# KiCad board Neptune.kicad_pcb (continued)
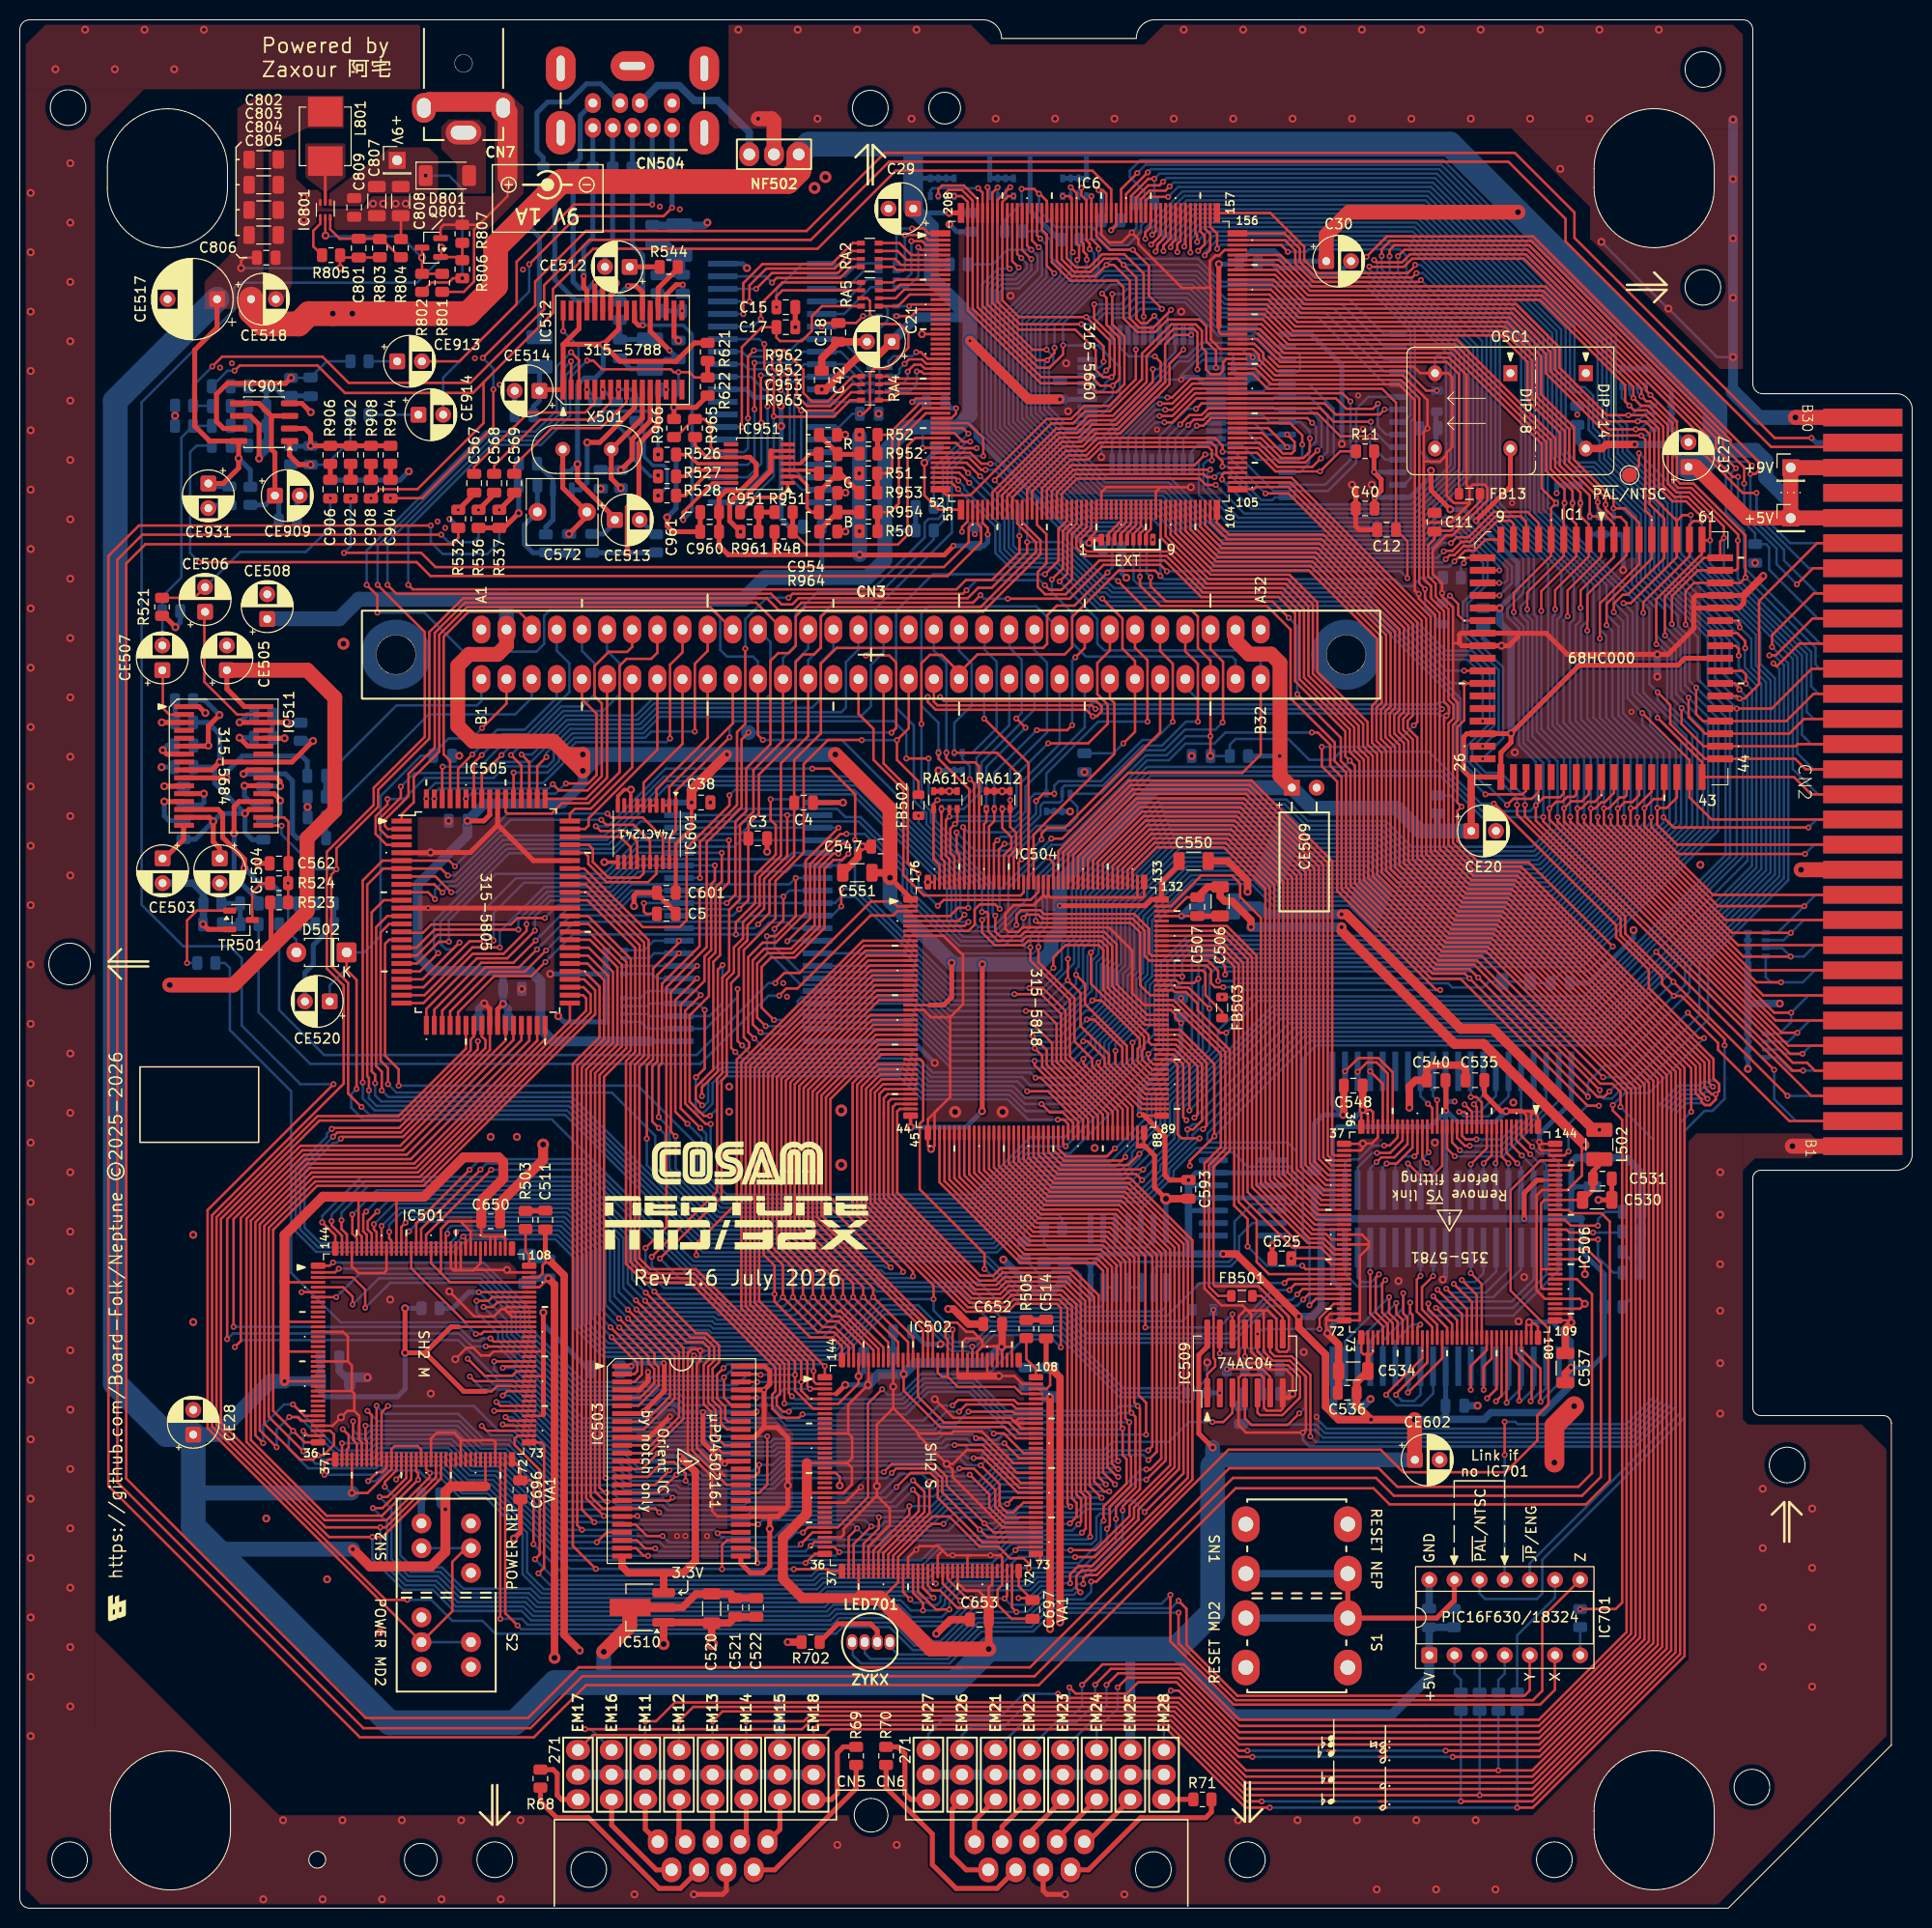
[diagram p0: board, top side]
## Placement (name value [footprint] x y rotation side) (continued)
R539  3K  [R_0805_2012Metric]  51.35 146.03 180 bottom
R540  *4  [R_0805_2012Metric]  53.15 137.98 270 bottom
R541  *5  [R_0805_2012Metric]  60.72 144.48 90 bottom
R544  75  [R_0805_2012Metric]  65.57 165.91 180 top
R545  0  [R_0805_2012Metric]  60.62 161.48 270 bottom
R547  100  [R_0805_2012Metric]  64.42 164.18 90 bottom
R549  10K  [R_0805_2012Metric]  64.3 137.98 90 bottom
R558  10K  [R_0805_2012Metric]  103.48 64.43 270 bottom
R559  2K  [R_0805_2012Metric]  101.47 66.48 90 bottom
R560  16K  [R_0805_2012Metric]  104.4 68.71 180 bottom
R561  8.2K  [R_0805_2012Metric]  122.88 54.49 180 bottom
R562  2K  [R_0805_2012Metric]  123.38 49.88 90 bottom
R566  4.7K  [R_0805_2012Metric]  123.17 116.48 0 bottom
R611  4.7K  [R_0805_2012Metric]  143.22 111.58 90 bottom
R621  10K  [R_0805_2012Metric]  69.5 157.32 90 top
R622  1K  [R_0805_2012Metric]  69.5 153.82 90 top
R701  10K  [R_0805_2012Metric]  144.9 29.33 90 bottom
R702  220  [R_0805_2012Metric]  79.9 26.9 180 top
R704  1K  [R_0805_2012Metric]  145.6 20.88 270 bottom
R705  1K  [R_0805_2012Metric]  147.49 20.88 270 bottom
R706  1K  [R_0805_2012Metric]  149.39 20.88 270 bottom
R707  1K  [R_0805_2012Metric]  151.29 20.88 270 bottom
R708  0  [R_0805_2012Metric]  157.66 29.33 90 bottom  (not fitted)
R801  30K  [R_0805_2012Metric]  42.68 164.31 270 top
R802  130K  [R_0805_2012Metric]  40.64 164.31 90 top
R803  220k  [R_0805_2012Metric]  36.38 167.82 90 top
R804  30k  [R_0805_2012Metric]  38.51 167.82 90 top
R805  10K  [R_0805_2012Metric]  31.45 167.11 0 top
R806  10K  [R_0805_2012Metric]  44.71 165.69 90 top
R807  4.7K  [R_0805_2012Metric]  44.71 169.26 90 top
R901  100K  [R_0805_2012Metric]  23.99 147.85 0 bottom
R902  100K  [R_0805_2012Metric]  33.42 146.93 90 top
R903  210K  [R_0805_2012Metric]  23.99 151.85 0 bottom
R904  210K  [R_0805_2012Metric]  37.45 146.93 90 top
R905  210K  [R_0805_2012Metric]  23.99 149.85 0 bottom
R906  210K  [R_0805_2012Metric]  31.38 146.93 90 top
R907  210K  [R_0805_2012Metric]  23.99 153.85 180 bottom
R908  210K  [R_0805_2012Metric]  35.47 146.93 90 top
R909  75  [R_0805_2012Metric]  16.6 149.85 180 bottom
R910  75  [R_0805_2012Metric]  31.38 143.45 90 bottom
R912  2.2K  [R_0805_2012Metric]  35.47 143.45 90 bottom
R913  10K  [R_0805_2012Metric]  23.3 142.78 90 bottom
R914  10K  [R_0805_2012Metric]  27.07 140.28 180 bottom
R915  300K  [R_0805_2012Metric]  27.41 153.79 90 bottom
R916  300K  [R_0805_2012Metric]  27.41 146.88 270 bottom
R917  330  [R_0805_2012Metric]  34.32 156.38 0 bottom
R918  330  [R_0805_2012Metric]  34.32 150.98 0 bottom
R951  5.62K  [R_0805_2012Metric]  77.17 141.12 180 top
R952  5.62K  [R_0805_2012Metric]  85.75 147.05 180 top
R953  5.62K  [R_0805_2012Metric]  85.72 143.1 180 top
R954  5.62K  [R_0805_2012Metric]  85.75 141.12 180 top
R961  5.62K  [R_0805_2012Metric]  73.72 139.15 180 top
R962  1.00K  [R_0805_2012Metric]  81.66 148.94 0 top
R963  1.00K  [R_0805_2012Metric]  81.69 143.07 0 top
R964  1.00K  [R_0805_2012Metric]  81.69 139.18 0 top
R965  Fit 10K to disable  [R_0805_2012Metric]  68.22 149.62 270 top
R966  Fit 0 to enable  [R_0805_2012Metric]  66.1 149.62 270 top
RA1  4x100  [R_Array_Convex_4x0603]  87.67 165.07 0 bottom
RA2  4x100  [R_Array_Convex_4x0603]  85.88 167.12 0 top
RA3  2x100  [R_Array_Convex_2x0603]  87.67 161.45 0 bottom
RA4  4x100  [R_Array_Convex_4x0603]  85.9 153.65 0 top
RA5  4x100  [R_Array_Convex_4x0603]  85.9 163.15 0 top
RA6  4x100  [R_Array_Convex_4x0603]  86.87 154.55 0 bottom
RA601  4x10K  [R_Array_Convex_4x0603]  104.92 111.77 270 bottom
RA602  4x10K  [R_Array_Convex_4x0603]  94.02 115.91 270 bottom
RA607  4x4.7K  [R_Array_Convex_4x0603]  99.2 173.98 90 bottom
RA608  4x2.2K  [R_Array_Convex_4x0603]  106.57 173.98 270 bottom
RA611  4x10K  [R_Array_Convex_4x0603]  93.52 112.02 90 top
RA612  4x10K  [R_Array_Convex_4x0603]  98.86 112.02 90 top
RA617  4x4.7K  [R_Array_Convex_4x0603]  93.2 173.98 90 bottom
RM3  4x10K  [R_Array_Convex_4x0603]  175.5 87.2 0 bottom
RM4  4x10K  [R_Array_Convex_4x0603]  175.5 97.45 0 bottom
RM5  4x10K  [R_Array_Convex_4x0603]  60.15 90.8 0 bottom
RM6  4x10K  [R_Array_Convex_4x0603]  60.15 95.65 0 bottom
S1  RESET MD2  [Reset_Switch]  129.03 26.83 180 top
S2  POWER MD2  [Power_Switch]  43.08 26.9 180 top
SN1  RESET NEP  [Reset_Switch]  129.03 36.33 0 top
SN2  POWER NEP  [Power_Switch]  43.08 36.4 0 top
TP1  +9V  [PinHeader_1x01_P2.54mm_Vertical]  178.92 145.62 0 top
TP2  +9V  [PinHeader_1x01_P2.54mm_Vertical]  38.12 176.7 0 top
TP3  +5V  [PinHeader_1x01_P2.54mm_Vertical]  178.92 140.53 0 top
TP4  ~{YS}  [TestPoint_Pad_D1.5mm]  73.62 118.85 180 bottom
TP5  ~{PAL}/NTSC  [TestPoint_Pad_D1.5mm]  162.64 144.87 0 top
TR501  NPN  [SOT-23-3]  22.35 99.9 0 top
TR502  NPN  [SOT-23]  54.82 144.32 90 bottom
X501  *3  [Crystal_HC18-U_Vertical]  54.85 147.48 0 top

## Library data of the parts
C2 C11 C17 = -: LCSC Part #: C520060; MPN: VJ0805A330FXJPW1BC; ki_fp_filters: C_*
C3-C5 C16 C18 C594 C595 C696 C697 = -: LCSC Part #: C1854109; MPN: VJ0805A101FXJPW1BC; ki_fp_filters: C_*
C9 = -: LCSC Part #: C149613; MPN: VJ0805A470FXJPW1BC; ki_fp_filters: C_*
C10 C571 = -: LCSC Part #: C520053; MPN: VJ0805A100FXJCW1BC; ki_fp_filters: C_*
C12 C14 = -: LCSC Part #: C541528; MPN: VJ0805Y105KXJTW1BC; ki_fp_filters: CP_*
C15 C553 C576 = -: ki_fp_filters: C_*
C21 C29 C30 CE20 CE503-CE505 CE512-CE514 CE517 CE518 CE520 CE602 CE931 = -: ki_fp_filters: CP_*
C32 C37 C38 C40-C42 C45-C51 = -: LCSC Part #: C520037; MPN: VJ0805Y223JXJPW1BC; ki_fp_filters: C_*
C60 = -: LCSC Part #: C107111; MPN: VJ0805A151FXJCW1BC; ki_fp_filters: C_*
C506 C508 C512 C515 C517 C520 C523 C527 C530 C534 C537 C550 C551 C699 = -: LCSC Part #: C132170; MPN: VJ1206V475MXJTW1BC; ki_fp_filters: C_*
C507 C509 C510 C513 C516 C518 C519 C521 C522 C528 C531-C533 C535 C536 C538-C541 C547 C548 C563-C569 C580 C588-C593 C601 C642 C650-C653 C701 C930 C951-C954 C960 = -: LCSC Part #: C111492; MPN: VJ0805Y104JXJMT; ki_fp_filters: C_*
C511 C514 = -: LCSC Part #: C62771; MPN: VJ0805A471FXJPW1BC; ki_fp_filters: C_*
C525 C570 = -: LCSC Part #: C162306; MPN: GRM21A5C2J680JWA1D; ki_fp_filters: C_*
C526 = -: LCSC Part #: C62768; MPN: VJ0805A101FXJPW1BC; ki_fp_filters: C_*
C554 C555 = -: LCSC Part #: C107149; MPN: VJ0805A332FXJTW1BC; ki_fp_filters: C_*
C556 C557 = -: LCSC Part #: C107121; MPN: VJ0805A681FXJCW1BC; ki_fp_filters: C_*
C558 C561 C562 = -: LCSC Part #: C62774; MPN: VJ0805A102FXJCW1BC; ki_fp_filters: C_*
C559 C560 = -: LCSC Part #: C107103; MPN: VJ0805A222FXJCW1BC; ki_fp_filters: C_*
C573 = -: LCSC Part #: C327193; MPN: VJ0805A820FXJCW1BC; ki_fp_filters: C_*
C574 = -: LCSC Part #: C527077; MPN: CC0805JRNPOCBN150; ki_fp_filters: C_*
C575 = -: LCSC Part #: C437549; MPN: GRM21A5C2E470JW01D; ki_fp_filters: C_*
C577 C579 = -: LCSC Part #: C107154; MPN: VJ0805Y473JXJCW1BC; ki_fp_filters: C_*
C578 = -: LCSC Part #: C710971; MPN: GRM21A5C2E820JW01D; ki_fp_filters: C_*
C621 = -: LCSC Part #: C541528; MPN: VJ0805Y105KXJTW1BC; ki_fp_filters: C_*
C801 = -: DigiKey: 311-4160-1-ND; LCSC Part #: C541512; MPN: VJ0805D100FXAAP; ki_fp_filters: C_*
C802-C805 C807 C808 = -: DigiKey: 1276-3103-1-ND; LCSC Part #: C76666; MPN: C3216X7R1V106KT000E; ki_fp_filters: C_*
C806 = -: LCSC Part #: C111492; MPN: VJ0805Y104JFAAR; ki_fp_filters: C_*
C809 = -: DigiKey: 1276-1099-1-ND; LCSC Part #: C111492; MPN: VJ0805Y104JFAAR; ki_fp_filters: C_*
C901 C902 = -: DigiKey: 1276-1096-1-ND; LCSC Part #: C89832; MPN: VJ0805V106ZXQTW1BC; ki_fp_filters: C_*
C903-C908 = -: LCSC Part #: C94122; MPN: VJ0805Y105KXJTW1BC; ki_fp_filters: C_*
C911 C912 = -: DigiKey: 311-4166-1-ND; LCSC Part #: C107111; MPN: VJ0805A151FXJCW1BC; ki_fp_filters: C_*
C961 = -: DigiKey: 1276-1096-1-ND; LCSC Part #: C342712; MPN: CGA4J1X5R1C106KT0Y0E; ki_fp_filters: C_*
CA601-CA604 = -: DigiKey: 13-CA0612KRNPO9BN330CT-ND; LCSC Part #: C576634; MPN: CA0612KRNPO9BN330; ki_fp_filters: DIP* SOIC* R*Array*Concave* R*Array*Convex*
CE27 CE28 CE506-CE509 CE913 CE914 = -: DigiKey: 493-13447-1-ND; ki_fp_filters: CP_*
CE909 = -: DigiKey: P15787CT-ND; ki_fp_filters: CP_*
CN2 CN3 = -: ki_fp_filters: Connector*:*_2x??_*
CN5 CN6 CN504 J2 = -: ki_fp_filters: Connector*:*_1x??_*
CN7 = -: ki_fp_filters: BarrelJack*
D502 = -: Sim.Pins: 1=K 2=A; ki_fp_filters: TO-???* *_Diode_* *SingleDiode* D_*
D699 = -: Sim.Device: D; Sim.Pins: 1=K 2=A; ki_fp_filters: TO-???* *_Diode_* *SingleDiode* D_*
D801 = -: LCSC Part #: C261920; MPN: CMS06(TE12L,Q,M); Sim.Device: D; Sim.Pins: 1=K 2=A; ki_fp_filters: TO-???* *_Diode_* *SingleDiode* D_*
FB1 FB7 FB13 FB502 FB505 FB510 FB511 FB513-FB517 = -: LCSC Part #: C91037; MPN: CBG201209U000T; ki_fp_filters: Inductor_* L_* *Ferrite*
FB501 FB506 = -: LCSC Part #: C41330; MPN: CBG201209U121T; ki_fp_filters: Inductor_* L_* *Ferrite*
FB503 = -: LCSC Part #: C124102; MPN: CBG201209U221T; ki_fp_filters: Inductor_* L_* *Ferrite*
IC1 = -: Datasheet: https://www.nxp.com/docs/en/reference-manual/MC68000UM.pdf; ki_fp_filters: PLCC*
IC4 = -: Datasheet: www.zilog.com/manage_directlink.php?filepath=docs/z80/um0080; ki_fp_filters: DIP* PDIP*
IC5 = -: Datasheet: http://www.issi.com/WW/pdf/61-64C5128AL.pdf; ki_fp_filters: SOJ*10.16x23.49mm*P1.27mm*
IC6 = -: ki_fp_filters: DIP*W15.24mm*
IC509 = -: Datasheet: http://www.ti.com/lit/gpn/sn74LS04; LCSC Part #: C352940; MPN: SN74AC04DR; ki_fp_filters: DIP*W7.62mm* SSOP?14* TSSOP?14*
IC510 = -: Datasheet: http://www.st.com/content/ccc/resource/technical/document/datasheet/41/4f/b3/b0/12/d4/47/88/CD00000444.pdf/files/CD00000444.pdf/jcr:content/translations/en.CD00000444.pdf; ki_fp_filters: TO?252* TO?263* TO?220*
IC515 = -: Datasheet: 74xx/74hc_hct74.pdf; LCSC Part #: C6762; MPN: SN74HC74ANS; ki_fp_filters: DIP*W7.62mm*
IC516 = -: Datasheet: http://www.ti.com/lit/gpn/sn74ls00; LCSC Part #: C140269; MPN: SN74LS00NSR; ki_fp_filters: DIP*W7.62mm* SO14*
IC601 = -: Datasheet: http://www.ti.com/lit/ds/symlink/sn74ls241.pdf; DigiKey: 296-4384-1-ND; LCSC Part #: C2863106; MPN: SN74ACT241PW; ki_fp_filters: DIP*W7.62mm* SOIC*7.5x12.8mm*P1.27mm* *SSOP*5.3x7.2mm*P0.65mm*
IC701 = -: Datasheet: http://ww1.microchip.com/downloads/en/devicedoc/40001800c.pdf; ki_fp_filters: SOIC*3.9x8.7mm*P1.27mm*
IC801 = -: Datasheet: http://www.ti.com/lit/ds/symlink/tps563200.pdf; DigiKey: 296-TPS564257DRLRCT-ND; LCSC Part #: C19272233; ki_fp_filters: SOT?23*
IC901 = -: Datasheet: http://www.ti.com/lit/ds/symlink/tl061.pdf; DigiKey: 296-21693-1-ND; LCSC Part #: C46127; MPN: TL972IDR; ki_fp_filters: SOIC*3.9x4.9mm*P1.27mm* DIP*W7.62mm* TO*99* OnSemi*Micro8* TSSOP*3x3mm*P0.65mm* TSSOP*4.4x3mm*P0.65mm* MSOP*3x3mm*P0.65mm* SSOP*3.9x4.9mm*P0.635mm* LFCSP*2x2mm*P0.5mm* *SIP* SOIC*5.3x6.2mm*P1.27mm*
IC951 = -: Datasheet: https://www.ti.com/lit/ds/symlink/ths7374.pdf; LCSC Part #: C2652746; MPN: THS7374IPWR; ki_fp_filters: TSSOP*4.4x5mm*P0.65mm*
L501 L502 = -: LCSC Part #: C27775; MPN: CMI322513J101KT; ki_fp_filters: Choke_* *Coil* Inductor_* L_*
L603 = -: LCSC Part #: C394998; MPN: CMI322513X120KT; ki_fp_filters: Choke_* *Coil* Inductor_* L_*
L604 = -: LCSC Part #: C75643; MPN: FHW1210IF100JST; ki_fp_filters: Choke_* *Coil* Inductor_* L_*
L605 = -: LCSC Part #: C394099; MPN: FHW1210IF820JST; ki_fp_filters: Choke_* *Coil* Inductor_* L_*
L801 = -: DigiKey: 490-9760-1-ND; LCSC Part #: C440231; MPN: LQH55DN4R7M03L; ki_fp_filters: Choke_* *Coil* Inductor_* L_*
LED701 = -: Description: RGB LED, blue/green/cathode/red; ki_fp_filters: LED* LED_SMD:* LED_THT:*
NF502 = -: Datasheet: http://www.murata.com/~/media/webrenewal/support/library/catalog/products/emc/emifil/c31e.ashx?la=en-gb
OSC1 = -: Datasheet: http://cdn-reichelt.de/documents/datenblatt/B400/OSZI.pdf; ki_fp_filters: Oscillator*DIP*14*
Q801 = -: Datasheet: https://www.onsemi.com/pdf/datasheet/pzt3904-d.pdf; DigiKey: MMBT3904TPMSCT-ND; LCSC Part #: C77991; MPN: MMBT3904-TP; ki_fp_filters: SOT?23*
R10 R12 R15 R48 R525 R912 = -: DigiKey: P2.20KCCT-ND; LCSC Part #: C114561; MPN: CRCW08052K20JNEA; ki_fp_filters: R_*
R11 R523 R566 R807 = -: LCSC Part #: C2077067; MPN: CRCW08054K70JNEAC; ki_fp_filters: R_*
R14 = -: LCSC Part #: C136926; MPN: CRCW08051K20FKEAHP; ki_fp_filters: R_*
R40 R41 R511 R512 R544 R909 R910 = -: DigiKey: P75.0CCT-ND; LCSC Part #: C136912; MPN: CRCW080575R0FKEAHP; ki_fp_filters: R_*
R50-R52 = -: LCSC Part #: C844634; MPN: CRCW08055K60FKEA; ki_fp_filters: R_*
R68-R71 R521 R522 R917 R918 = -: LCSC Part #: C844839; MPN: CRCW0805330RFKEA; ki_fp_filters: R_*
R74 = -: LCSC Part #: C96210; MPN: CRCW0805150RFKEAHP; ki_fp_filters: R_*
R75 R702 = -: DigiKey: P220CCT-ND; LCSC Part #: C844204; MPN: CRCW0805220RFKEAC; ki_fp_filters: R_*
R502 R518 R520 R549 R558 R621 R805 R806 R913 R914 = -: LCSC Part #: C844937; MPN: CRCW080510K0FKEA; ki_fp_filters: R_*
R503 R505 R514 R516 R539 = -: LCSC Part #: C114222; MPN: CRCW08053K00FKEA; ki_fp_filters: R_*
R506 = -: LCSC Part #: C137585; MPN: CRCW0805180RJNEA; ki_fp_filters: R_*
R507 = -: LCSC Part #: C844395; MPN: CRCW080513K0FKEA; ki_fp_filters: R_*
R508 = -: LCSC Part #: C844836; MPN: CRCW08052K70FKEA; ki_fp_filters: R_*
R509 = -: LCSC Part #: C185279; MPN: CRCW08051K60FKEA; ki_fp_filters: R_*
R513 R515 R517 R519 R561 = -: LCSC Part #: C844640; MPN: CRCW08058K20FKEA; ki_fp_filters: R_*
R524 = -: LCSC Part #: C96347; MPN: CRCW080510R0FKEB; ki_fp_filters: R_*
R526-R528 = -: DigiKey: P5.62KCCT-ND; LCSC Part #: C136912; MPN: CRCW080575R0FKEAHP; ki_fp_filters: R_*
R529-R531 = -: DigiKey: P1.00KCCT-ND; LCSC Part #: C136912; MPN: CRCW080575R0FKEAHP; ki_fp_filters: R_*
R532-R534 = -: LCSC Part #: C126353; MPN: CRCW080533R0FKEAC; ki_fp_filters: R_*
R535-R537 = -: LCSC Part #: C246032; MPN: MCU08050C1600FPW00; ki_fp_filters: R_*
R540 = -: LCSC Part #: C137527; MPN: CRCW0805430RJNEA; ki_fp_filters: R_*
R541 = -: LCSC Part #: C93658; MPN: CRCW0805680RJNEA; ki_fp_filters: R_*
R545 = -: LCSC Part #: C96345; MPN: RCG08050000Z0EA; ki_fp_filters: R_*
R547 = -: LCSC Part #: C2078104; MPN: CRCW0805100RJNEAHP; ki_fp_filters: R_*
R559 R562 = -: LCSC Part #: C2077049; MPN: CRCW08052K00JNEA; ki_fp_filters: R_*
R560 = -: LCSC Part #: C326942; MPN: TNPW080516K0BEEA; ki_fp_filters: R_*
R611 = -: DigiKey: P2.20KCCT-ND; LCSC Part #: C2077067; MPN: CRCW08054K70JNEAC; ki_fp_filters: R_*
R622 = -: LCSC Part #: C136899; MPN: CRCW08051K00FKEA; ki_fp_filters: R_*
R701 R704-R708 = -: DigiKey: P220CCT-ND; LCSC Part #: C844937; MPN: CRCW080510K0FKEA; ki_fp_filters: R_*
R801 R804 = -: DigiKey: P30.0KCCT-ND; LCSC Part #: C844838; MPN: CRCW080530K0FKEA; ki_fp_filters: R_*
R802 = -: DigiKey: P162KCCT-ND; LCSC Part #: C483008; MPN: RCS0805130KFKEA; ki_fp_filters: R_*
R803 = -: DigiKey: P220KCCT-ND; LCSC Part #: C706313; MPN: CRCW0805220KJNEA; ki_fp_filters: R_*
R901 R902 = -: LCSC Part #: C844935; MPN: CRCW0805100KFKEA; ki_fp_filters: R_*
R903-R908 = -: DigiKey: P210KCCT-ND; LCSC Part #: C228629; MPN: CRCW0805210KFKEA; ki_fp_filters: R_*
R915 R916 = -: DigiKey: P300KCCT-ND; LCSC Part #: C865386; MPN: RCS0805300KFKEA; ki_fp_filters: R_*
R951-R954 R961 = -: DigiKey: P5.62KCCT-ND; LCSC Part #: C706302; MPN: TNPW08055K62FHEA\; ki_fp_filters: R_*
R962-R964 = -: DigiKey: P1.00KCCT-ND; LCSC Part #: C136899; MPN: CRCW08051K00FKEA; ki_fp_filters: R_*
R965 = -: DigiKey: P5.62KCCT-ND; ki_fp_filters: R_*
R966 = -: DigiKey: P5.62KCCT-ND; LCSC Part #: C96345; ki_fp_filters: R_*
RA1 RA2 RA4-RA6 = -: LCSC Part #: C1852225; MPN: YC164-FR-07100RL; ki_fp_filters: DIP* SOIC* R*Array*Concave* R*Array*Convex*
RA3 = -: LCSC Part #: C728824; MPN: YC162-FR-07100RL; ki_fp_filters: DIP* SOIC* R*Array*Concave* R*Array*Convex*
RA601 RA602 RA611 RA612 RM3-RM6 = -: LCSC Part #: C110924; MPN: YC164-FR-0710KL; ki_fp_filters: DIP* SOIC* R*Array*Concave* R*Array*Convex*
RA607 RA617 = -: LCSC Part #: C700514; MPN: YC164-FR-074K7L; ki_fp_filters: DIP* SOIC* R*Array*Concave* R*Array*Convex*
RA608 = -: LCSC Part #: C136829; MPN: YC164-JR-072K2L; ki_fp_filters: DIP* SOIC* R*Array*Concave* R*Array*Convex*
TP1-TP5 = -: ki_fp_filters: Pin* Test*
TR501 TR502 = -: LCSC Part #: C77991; MPN: MMBT3904-TP; Sim.Pins: 1=C 2=B 3=E; Sim.Type: GUMMELPOON
X501 = -: ki_fp_filters: Crystal*

## Footprints (pads in the part's own frame, mm; a bottom-side part is the same pattern mirrored in y, then rotated)
AV_Connector
  oval 1.6x2 hole 0.9: 1(-1.25,2.5) 2(0.75,2.5) 3(-4,2.5) 4(-2,0) 5(0,0) 6(4,2.5) 7(-4,0) 8(2,0) 9(4,0)
  oval 3x4.4 hole 0.8x2.6: 10(-7.25,6) 10(-7.25,-0.5) 10(7.25,6) 10(7.25,-0.5)
  oval 4.4x3 hole 2.6x0.8: 10(0,6.25)
C_0805_2012Metric
  rrect 1x1.45 smd: 1(-0.95,0) 2(0.95,0)
C_1206_3216Metric
  rrect 1.15x1.8 smd: 1(-1.475,0) 2(1.475,0)
C_Rect_L7.0mm_W6.5mm_P5.00mm
  round 1.8 hole 0.9: 1(0,0) 2(5,0)
Cartidge_Slot
  oval 1.8x2.8 hole 1: a1(0,0) a2(2.54,0) a3(5.08,0) a4(7.62,0) a5(10.16,0) a6(12.7,0) a7(15.24,0) a8(17.78,0) a9(20.32,0) a10(22.86,0) a11(25.4,0) a12(27.94,0) a13(30.48,0) a14(33.02,0) a15(35.56,0) a16(38.1,0) a17(40.64,0) a18(43.18,0) a19(45.72,0) a20(48.26,0) a21(50.8,0) a22(53.34,0) a23(55.88,0) a24(58.42,0) a25(60.96,0) a26(63.5,0) a27(66.04,0) a28(68.58,0) a29(71.12,0) a30(73.66,0) a31(76.2,0) a32(78.74,0) b1(0,-5) b2(2.54,-5) b3(5.08,-5) b4(7.62,-5) b5(10.16,-5) b6(12.7,-5) b7(15.24,-5) b8(17.78,-5) b9(20.32,-5) b10(22.86,-5) b11(25.4,-5) b12(27.94,-5) b13(30.48,-5) b14(33.02,-5) b15(35.56,-5) b16(38.1,-5) b17(40.64,-5) b18(43.18,-5) b19(45.72,-5) b20(48.26,-5) b21(50.8,-5) b22(53.34,-5) b23(55.88,-5) b24(58.42,-5) b25(60.96,-5) b26(63.5,-5) b27(66.04,-5) b28(68.58,-5) b29(71.12,-5) b30(73.66,-5) b31(76.2,-5) b32(78.74,-5)
CP_Radial_D5.0mm_P2.50mm
  rrect 1.6x1.6 hole 0.8: 1(0,0)
  round 1.6 hole 0.8: 2(2.5,0)
CP_Radial_D5.0mm_P2.50mm_Horizontal
  rect 1.6x1.6 hole 0.8: 1(2.5,0)
  round 1.6 hole 0.8: 2(0,0)
CP_Radial_D8.0mm_P5.00mm
  rrect 1.6x1.6 hole 0.8: 1(0,0)
  round 1.6 hole 0.8: 2(5,0)
Crystal_HC18-U_Vertical
  round 1.5 hole 0.8: 1(0,0) 2(4.9,0)
D_1206_3216Metric
  rrect 1.25x1.75 smd: 1(-1.4,0) 2(1.4,0)
D_SOD-128
  rrect 1.4x2.1 smd: 1(-2.2,0) 2(2.2,0)
D_T-1_P5.08mm_Horizontal
  rrect 2x2 hole 1: 1(0,0)
  round 2 hole 1: 2(5.08,0)
DIP-14_W7.62mm_Socket
  rrect 1.6x1.6 hole 0.8: 1(0,0)
  round 1.6 hole 0.8: 2(0,-2.54) 3(0,-5.08) 4(0,-7.62) 5(0,-10.16) 6(0,-12.7) 7(0,-15.24) 8(7.62,-15.24) 9(7.62,-12.7) 10(7.62,-10.16) 11(7.62,-7.62) 12(7.62,-5.08) 13(7.62,-2.54) 14(7.62,0)
DSUB-9
  oval 2x2.5 hole 1.25: 1(-5.54,0) 2(-2.77,0) 3(0,0) 4(2.77,0) 5(5.54,0) 6(-4.155,-2.84) 7(-1.385,-2.84) 8(1.385,-2.84) 9(4.155,-2.84)
Edge-60P
  rect 1.778x8 smd far side: a1(36.83,0) a2(34.29,0) a3(31.75,0) a4(29.21,0) a5(26.67,0) a6(24.13,0) a7(21.59,0) a8(19.05,0) a9(16.51,0) a10(13.97,0) a11(11.43,0) a12(8.89,0) a13(6.35,0) a14(3.81,0) a15(1.27,0) a16(-1.27,0) a17(-3.81,0) a18(-6.35,0) a19(-8.89,0) a20(-11.43,0) a21(-13.97,0) a22(-16.51,0) a23(-19.05,0) a24(-21.59,0) a25(-24.13,0) a26(-26.67,0) a27(-29.21,0) a28(-31.75,0) a29(-34.29,0) a30(-36.83,0)
  rect 1.778x8 smd: b1(36.83,0) b2(34.29,0) b3(31.75,0) b4(29.21,0) b5(26.67,0) b6(24.13,0) b7(21.59,0) b8(19.05,0) b9(16.51,0) b10(13.97,0) b11(11.43,0) b12(8.89,0) b13(6.35,0) b14(3.81,0) b15(1.27,0) b16(-1.27,0) b17(-3.81,0) b18(-6.35,0) b19(-8.89,0) b20(-11.43,0) b21(-13.97,0) b22(-16.51,0) b23(-19.05,0) b24(-21.59,0) b25(-24.13,0) b26(-26.67,0) b27(-29.21,0) b28(-31.75,0) b29(-34.29,0) b30(-36.83,0)
EMI_3P
  oval 2.4x2 hole 1.2: 1(0,-2.5) 2(0,0) 3(0,2.5)
EXT_Breakout
  rrect 0.57x1.2 smd: 1(-2.6,0) 9(2.6,0)
  rrect 0.42x1.2 smd: 2(-1.905,0) 3(-1.27,0) 4(-0.635,0) 5(0,0) 6(0.635,0) 7(1.27,0) 8(1.905,0)
L_0805_2012Metric
  rrect 0.875x1.2 smd: 1(-1.062,0) 2(1.062,0)
L_1210_3225Metric_Pad1.42x2.65mm_HandSolder
  rrect 1.425x2.65 smd: 1(-1.488,0) 2(1.488,0)
L_Murata_LQH55DN_5.7x5.0mm
  rect 3x3.5 smd: 1(-2.5,0) 2(2.5,0)
LQFP-144_20x20mm_P0.5mm
  rrect 1.475x0.65 smd: 1(-10.662,8.925) 36(-10.662,-8.925) 73(10.662,-8.925) 108(10.662,8.925)
  rrect 1.475x0.3 smd: 2(-10.662,8.25) 3(-10.662,7.75) 4(-10.662,7.25) 5(-10.662,6.75) 6(-10.662,6.25) 7(-10.662,5.75) 8(-10.662,5.25) 9(-10.662,4.75) 10(-10.662,4.25) 11(-10.662,3.75) 12(-10.662,3.25) 13(-10.662,2.75) 14(-10.662,2.25) 15(-10.662,1.75) 16(-10.662,1.25) 17(-10.662,0.75) 18(-10.662,0.25) 19(-10.662,-0.25) 20(-10.662,-0.75) 21(-10.662,-1.25) 22(-10.662,-1.75) 23(-10.662,-2.25) 24(-10.662,-2.75) 25(-10.662,-3.25) 26(-10.662,-3.75) 27(-10.662,-4.25) 28(-10.662,-4.75) 29(-10.662,-5.25) 30(-10.662,-5.75) 31(-10.662,-6.25) 32(-10.662,-6.75) 33(-10.662,-7.25) 34(-10.662,-7.75) 35(-10.662,-8.25) 74(10.662,-8.25) 75(10.662,-7.75) 76(10.662,-7.25) 77(10.662,-6.75) 78(10.662,-6.25) 79(10.662,-5.75) 80(10.662,-5.25) 81(10.662,-4.75) 82(10.662,-4.25) 83(10.662,-3.75) 84(10.662,-3.25) 85(10.662,-2.75) 86(10.662,-2.25) 87(10.662,-1.75) 88(10.662,-1.25) 89(10.662,-0.75) 90(10.662,-0.25) 91(10.662,0.25) 92(10.662,0.75) 93(10.662,1.25) 94(10.662,1.75) 95(10.662,2.25) 96(10.662,2.75) 97(10.662,3.25) 98(10.662,3.75) 99(10.662,4.25) 100(10.662,4.75) 101(10.662,5.25) 102(10.662,5.75) 103(10.662,6.25) 104(10.662,6.75) 105(10.662,7.25) 106(10.662,7.75) 107(10.662,8.25)
  rrect 0.65x1.475 smd: 37(-8.925,-10.662) 72(8.925,-10.662) 109(8.925,10.662) 144(-8.925,10.662)
  rrect 0.3x1.475 smd: 38(-8.25,-10.662) 39(-7.75,-10.662) 40(-7.25,-10.662) 41(-6.75,-10.662) 42(-6.25,-10.662) 43(-5.75,-10.662) 44(-5.25,-10.662) 45(-4.75,-10.662) 46(-4.25,-10.662) 47(-3.75,-10.662) 48(-3.25,-10.662) 49(-2.75,-10.662) 50(-2.25,-10.662) 51(-1.75,-10.662) 52(-1.25,-10.662) 53(-0.75,-10.662) 54(-0.25,-10.662) 55(0.25,-10.662) 56(0.75,-10.662) 57(1.25,-10.662) 58(1.75,-10.662) 59(2.25,-10.662) 60(2.75,-10.662) 61(3.25,-10.662) 62(3.75,-10.662) 63(4.25,-10.662) 64(4.75,-10.662) 65(5.25,-10.662) 66(5.75,-10.662) 67(6.25,-10.662) 68(6.75,-10.662) 69(7.25,-10.662) 70(7.75,-10.662) 71(8.25,-10.662) 110(8.25,10.662) 111(7.75,10.662) 112(7.25,10.662) 113(6.75,10.662) 114(6.25,10.662) 115(5.75,10.662) 116(5.25,10.662) 117(4.75,10.662) 118(4.25,10.662) 119(3.75,10.662) 120(3.25,10.662) 121(2.75,10.662) 122(2.25,10.662) 123(1.75,10.662) 124(1.25,10.662) 125(0.75,10.662) 126(0.25,10.662) 127(-0.25,10.662) 128(-0.75,10.662) 129(-1.25,10.662) 130(-1.75,10.662) 131(-2.25,10.662) 132(-2.75,10.662) 133(-3.25,10.662) 134(-3.75,10.662) 135(-4.25,10.662) 136(-4.75,10.662) 137(-5.25,10.662) 138(-5.75,10.662) 139(-6.25,10.662) 140(-6.75,10.662) 141(-7.25,10.662) 142(-7.75,10.662) 143(-8.25,10.662)
LQFP-176_24x24mm_P0.5mm
  rrect 1.5x0.65 smd: 1(-12.675,10.925) 44(-12.675,-10.925) 89(12.675,-10.925) 132(12.675,10.925)
  rrect 1.5x0.3 smd: 2(-12.675,10.25) 3(-12.675,9.75) 4(-12.675,9.25) 5(-12.675,8.75) 6(-12.675,8.25) 7(-12.675,7.75) 8(-12.675,7.25) 9(-12.675,6.75) 10(-12.675,6.25) 11(-12.675,5.75) 12(-12.675,5.25) 13(-12.675,4.75) 14(-12.675,4.25) 15(-12.675,3.75) 16(-12.675,3.25) 17(-12.675,2.75) 18(-12.675,2.25) 19(-12.675,1.75) 20(-12.675,1.25) 21(-12.675,0.75) 22(-12.675,0.25) 23(-12.675,-0.25) 24(-12.675,-0.75) 25(-12.675,-1.25) 26(-12.675,-1.75) 27(-12.675,-2.25) 28(-12.675,-2.75) 29(-12.675,-3.25) 30(-12.675,-3.75) 31(-12.675,-4.25) 32(-12.675,-4.75) 33(-12.675,-5.25) 34(-12.675,-5.75) 35(-12.675,-6.25) 36(-12.675,-6.75) 37(-12.675,-7.25) 38(-12.675,-7.75) 39(-12.675,-8.25) 40(-12.675,-8.75) 41(-12.675,-9.25) 42(-12.675,-9.75) 43(-12.675,-10.25) 90(12.675,-10.25) 91(12.675,-9.75) 92(12.675,-9.25) 93(12.675,-8.75) 94(12.675,-8.25) 95(12.675,-7.75) 96(12.675,-7.25) 97(12.675,-6.75) 98(12.675,-6.25) 99(12.675,-5.75) 100(12.675,-5.25) 101(12.675,-4.75) 102(12.675,-4.25) 103(12.675,-3.75) 104(12.675,-3.25) 105(12.675,-2.75) 106(12.675,-2.25) 107(12.675,-1.75) 108(12.675,-1.25) 109(12.675,-0.75) 110(12.675,-0.25) 111(12.675,0.25) 112(12.675,0.75) 113(12.675,1.25) 114(12.675,1.75) 115(12.675,2.25) 116(12.675,2.75) 117(12.675,3.25) 118(12.675,3.75) 119(12.675,4.25) 120(12.675,4.75) 121(12.675,5.25) 122(12.675,5.75) 123(12.675,6.25) 124(12.675,6.75) 125(12.675,7.25) 126(12.675,7.75) 127(12.675,8.25) 128(12.675,8.75) 129(12.675,9.25) 130(12.675,9.75) 131(12.675,10.25)
  rrect 0.65x1.5 smd: 45(-10.925,-12.675) 88(10.925,-12.675) 133(10.925,12.675) 176(-10.925,12.675)
  rrect 0.3x1.5 smd: 46(-10.25,-12.675) 47(-9.75,-12.675) 48(-9.25,-12.675) 49(-8.75,-12.675) 50(-8.25,-12.675) 51(-7.75,-12.675) 52(-7.25,-12.675) 53(-6.75,-12.675) 54(-6.25,-12.675) 55(-5.75,-12.675) 56(-5.25,-12.675) 57(-4.75,-12.675) 58(-4.25,-12.675) 59(-3.75,-12.675) 60(-3.25,-12.675) 61(-2.75,-12.675) 62(-2.25,-12.675) 63(-1.75,-12.675) 64(-1.25,-12.675) 65(-0.75,-12.675) 66(-0.25,-12.675) 67(0.25,-12.675) 68(0.75,-12.675) 69(1.25,-12.675) 70(1.75,-12.675) 71(2.25,-12.675) 72(2.75,-12.675) 73(3.25,-12.675) 74(3.75,-12.675) 75(4.25,-12.675) 76(4.75,-12.675) 77(5.25,-12.675) 78(5.75,-12.675) 79(6.25,-12.675) 80(6.75,-12.675) 81(7.25,-12.675) 82(7.75,-12.675) 83(8.25,-12.675) 84(8.75,-12.675) 85(9.25,-12.675) 86(9.75,-12.675) 87(10.25,-12.675) 134(10.25,12.675) 135(9.75,12.675) 136(9.25,12.675) 137(8.75,12.675) 138(8.25,12.675) 139(7.75,12.675) 140(7.25,12.675) 141(6.75,12.675) 142(6.25,12.675) 143(5.75,12.675) 144(5.25,12.675) 145(4.75,12.675) 146(4.25,12.675) 147(3.75,12.675) 148(3.25,12.675) 149(2.75,12.675) 150(2.25,12.675) 151(1.75,12.675) 152(1.25,12.675) 153(0.75,12.675) 154(0.25,12.675) 155(-0.25,12.675) 156(-0.75,12.675) 157(-1.25,12.675) 158(-1.75,12.675) 159(-2.25,12.675) 160(-2.75,12.675) 161(-3.25,12.675) 162(-3.75,12.675) 163(-4.25,12.675) 164(-4.75,12.675) 165(-5.25,12.675) 166(-5.75,12.675) 167(-6.25,12.675) 168(-6.75,12.675) 169(-7.25,12.675) 170(-7.75,12.675) 171(-8.25,12.675) 172(-8.75,12.675) 173(-9.25,12.675) 174(-9.75,12.675) 175(-10.25,12.675)
Oscillator_DIP-8-14
  rect 1.4x1.6 hole 0.8: 0(7.62,0) 1(0,0)
  rrect 1.4x1.6 hole 0.8: 7(15.24,0) 8(15.24,7.62) 14(0,7.62) 14(7.62,7.62)
PinHeader_1x01_P2.54mm_Vertical
  rect 1.7x1.7 hole 1: 1(0,0)
PLCC-68
  rect 0.7x2.6 smd: 1(0,12) 2(-1.27,12) 3(-2.54,12) 4(-3.81,12) 5(-5.08,12) 6(-6.35,12) 7(-7.62,12) 8(-8.89,12) 9(-10.16,12) 27(-10.16,-12) 28(-8.89,-12) 29(-7.62,-12) 30(-6.35,-12) 31(-5.08,-12) 32(-3.81,-12) 33(-2.54,-12) 34(-1.27,-12) 35(0,-12) 36(1.27,-12) 37(2.54,-12) 38(3.81,-12) 39(5.08,-12) 40(6.35,-12) 41(7.62,-12) 42(8.89,-12) 43(10.16,-12) 61(10.16,12) 62(8.89,12) 63(7.62,12) 64(6.35,12) 65(5.08,12) 66(3.81,12) 67(2.54,12) 68(1.27,12)
  rect 2.6x0.7 smd: 10(-12,10.16) 11(-12,8.89) 12(-12,7.62) 13(-12,6.35) 14(-12,5.08) 15(-12,3.81) 16(-12,2.54) 17(-12,1.27) 18(-12,0) 19(-12,-1.27) 20(-12,-2.54) 21(-12,-3.81) 22(-12,-5.08) 23(-12,-6.35) 24(-12,-7.62) 25(-12,-8.89) 26(-12,-10.16) 44(12,-10.16) 45(12,-8.89) 46(12,-7.62) 47(12,-6.35) 48(12,-5.08) 49(12,-3.81) 50(12,-2.54) 51(12,-1.27) 52(12,0) 53(12,1.27) 54(12,2.54) 55(12,3.81) 56(12,5.08) 57(12,6.35) 58(12,7.62) 59(12,8.89) 60(12,10.16)
Power_Jack
  oval 3.6x2.4 hole 2.6x1.4: 1(0,-1.25)
  oval 2.4x3 hole 1.4x2: 2(-4,1.25) 2(4,1.25)
Power_Switch
  round 2 hole 1: (2.5,-2.5) 1(-2.5,2.5) 1(2.5,2.5) 2(-2.5,0) 2(2.5,0)
PQFP-80_14x20mm_P0.8mm
  rect 2.05x0.5 smd: 1(-8.5,9.2) 2(-8.5,8.4) 3(-8.5,7.6) 4(-8.5,6.8) 5(-8.5,6) 6(-8.5,5.2) 7(-8.5,4.4) 8(-8.5,3.6) 9(-8.5,2.8) 10(-8.5,2) 11(-8.5,1.2) 12(-8.5,0.4) 13(-8.5,-0.4) 14(-8.5,-1.2) 15(-8.5,-2) 16(-8.5,-2.8) 17(-8.5,-3.6) 18(-8.5,-4.4) 19(-8.5,-5.2) 20(-8.5,-6) 21(-8.5,-6.8) 22(-8.5,-7.6) 23(-8.5,-8.4) 24(-8.5,-9.2) 41(8.5,-9.2) 42(8.5,-8.4) 43(8.5,-7.6) 44(8.5,-6.8) 45(8.5,-6) 46(8.5,-5.2) 47(8.5,-4.4) 48(8.5,-3.6) 49(8.5,-2.8) 50(8.5,-2) 51(8.5,-1.2) 52(8.5,-0.4) 53(8.5,0.4) 54(8.5,1.2) 55(8.5,2) 56(8.5,2.8) 57(8.5,3.6) 58(8.5,4.4) 59(8.5,5.2) 60(8.5,6) 61(8.5,6.8) 62(8.5,7.6) 63(8.5,8.4) 64(8.5,9.2)
  rect 0.5x1.9 smd: 25(-6,-11.45) 26(-5.2,-11.45) 27(-4.4,-11.45) 28(-3.6,-11.45) 29(-2.8,-11.45) 30(-2,-11.45) 31(-1.2,-11.45) 32(-0.4,-11.45) 33(0.4,-11.45) 34(1.2,-11.45) 35(2,-11.45) 36(2.8,-11.45) 37(3.6,-11.45) 38(4.4,-11.45) 39(5.2,-11.45) 40(6,-11.45) 65(6,11.45) 66(5.2,11.45) 67(4.4,11.45) 68(3.6,11.45) 69(2.8,11.45) 70(2,11.45) 71(1.2,11.45) 72(0.4,11.45) 73(-0.4,11.45) 74(-1.2,11.45) 75(-2,11.45) 76(-2.8,11.45) 77(-3.6,11.45) 78(-4.4,11.45) 79(-5.2,11.45) 80(-6,11.45)
QFP-44_10x10_Pitch0.8mm
  rect 2x0.55 smd: 1(-6.5,4) 2(-6.5,3.2) 3(-6.5,2.4) 4(-6.5,1.6) 5(-6.5,0.8) 6(-6.5,0) 7(-6.5,-0.8) 8(-6.5,-1.6) 9(-6.5,-2.4) 10(-6.5,-3.2) 11(-6.5,-4) 23(6.5,-4) 24(6.5,-3.2) 25(6.5,-2.4) 26(6.5,-1.6) 27(6.5,-0.8) 28(6.5,0) 29(6.5,0.8) 30(6.5,1.6) 31(6.5,2.4) 32(6.5,3.2) 33(6.5,4)
  rect 0.55x2 smd: 12(-4,-6.5) 13(-3.2,-6.5) 14(-2.4,-6.5) 15(-1.6,-6.5) 16(-0.8,-6.5) 17(0,-6.5) 18(0.8,-6.5) 19(1.6,-6.5) 20(2.4,-6.5) 21(3.2,-6.5) 22(4,-6.5) 34(4,6.5) 35(3.2,6.5) 36(2.4,6.5) 37(1.6,6.5) 38(0.8,6.5) 39(0,6.5) 40(-0.8,6.5) 41(-1.6,6.5) 42(-2.4,6.5) 43(-3.2,6.5) 44(-4,6.5)
QFP-208_28x28_Pitch0.5mm
  rect 2x0.65 smd: 1(-15,12.925) 52(-15,-12.925) 105(15,-12.925) 156(15,12.925)
  rect 2x0.3 smd: 2(-15,12.25) 3(-15,11.75) 4(-15,11.25) 5(-15,10.75) 6(-15,10.25) 7(-15,9.75) 8(-15,9.25) 9(-15,8.75) 10(-15,8.25) 11(-15,7.75) 12(-15,7.25) 13(-15,6.75) 14(-15,6.25) 15(-15,5.75) 16(-15,5.25) 17(-15,4.75) 18(-15,4.25) 19(-15,3.75) 20(-15,3.25) 21(-15,2.75) 22(-15,2.25) 23(-15,1.75) 24(-15,1.25) 25(-15,0.75) 26(-15,0.25) 27(-15,-0.25) 28(-15,-0.75) 29(-15,-1.25) 30(-15,-1.75) 31(-15,-2.25) 32(-15,-2.75) 33(-15,-3.25) 34(-15,-3.75) 35(-15,-4.25) 36(-15,-4.75) 37(-15,-5.25) 38(-15,-5.75) 39(-15,-6.25) 40(-15,-6.75) 41(-15,-7.25) 42(-15,-7.75) 43(-15,-8.25) 44(-15,-8.75) 45(-15,-9.25) 46(-15,-9.75) 47(-15,-10.25) 48(-15,-10.75) 49(-15,-11.25) 50(-15,-11.75) 51(-15,-12.25) 106(15,-12.25) 107(15,-11.75) 108(15,-11.25) 109(15,-10.75) 110(15,-10.25) 111(15,-9.75) 112(15,-9.25) 113(15,-8.75) 114(15,-8.25) 115(15,-7.75) 116(15,-7.25) 117(15,-6.75) 118(15,-6.25) 119(15,-5.75) 120(15,-5.25) 121(15,-4.75) 122(15,-4.25) 123(15,-3.75) 124(15,-3.25) 125(15,-2.75) 126(15,-2.25) 127(15,-1.75) 128(15,-1.25) 129(15,-0.75) 130(15,-0.25) 131(15,0.25) 132(15,0.75) 133(15,1.25) 134(15,1.75) 135(15,2.25) 136(15,2.75) 137(15,3.25) 138(15,3.75) 139(15,4.25) 140(15,4.75) 141(15,5.25) 142(15,5.75) 143(15,6.25) 144(15,6.75) 145(15,7.25) 146(15,7.75) 147(15,8.25) 148(15,8.75) 149(15,9.25) 150(15,9.75) 151(15,10.25) 152(15,10.75) 153(15,11.25) 154(15,11.75) 155(15,12.25)
  rect 0.65x2 smd: 53(-12.925,-15) 104(12.925,-15) 157(12.925,15) 208(-12.925,15)
  rect 0.3x2 smd: 54(-12.25,-15) 55(-11.75,-15) 56(-11.25,-15) 57(-10.75,-15) 58(-10.25,-15) 59(-9.75,-15) 60(-9.25,-15) 61(-8.75,-15) 62(-8.25,-15) 63(-7.75,-15) 64(-7.25,-15) 65(-6.75,-15) 66(-6.25,-15) 67(-5.75,-15) 68(-5.25,-15) 69(-4.75,-15) 70(-4.25,-15) 71(-3.75,-15) 72(-3.25,-15) 73(-2.75,-15) 74(-2.25,-15) 75(-1.75,-15) 76(-1.25,-15) 77(-0.75,-15) 78(-0.25,-15) 79(0.25,-15) 80(0.75,-15) 81(1.25,-15) 82(1.75,-15) 83(2.25,-15) 84(2.75,-15) 85(3.25,-15) 86(3.75,-15) 87(4.25,-15) 88(4.75,-15) 89(5.25,-15) 90(5.75,-15) 91(6.25,-15) 92(6.75,-15) 93(7.25,-15) 94(7.75,-15) 95(8.25,-15) 96(8.75,-15) 97(9.25,-15) 98(9.75,-15) 99(10.25,-15) 100(10.75,-15) 101(11.25,-15) 102(11.75,-15) 103(12.25,-15) 158(12.25,15) 159(11.75,15) 160(11.25,15) 161(10.75,15) 162(10.25,15) 163(9.75,15) 164(9.25,15) 165(8.75,15) 166(8.25,15) 167(7.75,15) 168(7.25,15) 169(6.75,15) 170(6.25,15) 171(5.75,15) 172(5.25,15) 173(4.75,15) 174(4.25,15) 175(3.75,15) 176(3.25,15) 177(2.75,15) 178(2.25,15) 179(1.75,15) 180(1.25,15) 181(0.75,15) 182(0.25,15) 183(-0.25,15) 184(-0.75,15) 185(-1.25,15) 186(-1.75,15) 187(-2.25,15) 188(-2.75,15) 189(-3.25,15) 190(-3.75,15) 191(-4.25,15) 192(-4.75,15) 193(-5.25,15) 194(-5.75,15) 195(-6.25,15) 196(-6.75,15) 197(-7.25,15) 198(-7.75,15) 199(-8.25,15) 200(-8.75,15) 201(-9.25,15) 202(-9.75,15) 203(-10.25,15) 204(-10.75,15) 205(-11.25,15) 206(-11.75,15) 207(-12.25,15)
R_0805_2012Metric
  rrect 1.025x1.4 smd: 1(-0.912,0) 2(0.912,0)
R_Array_Convex_2x0603
  rect 0.8x0.5 smd: 1(-0.9,0.5) 2(-0.9,-0.5) 3(0.9,-0.5) 4(0.9,0.5)
R_Array_Convex_4x0603
  rect 0.8x0.5 smd: 1(-0.9,1.2) 4(-0.9,-1.2) 5(0.9,-1.2) 8(0.9,1.2)
  rect 0.8x0.4 smd: 2(-0.9,0.4) 3(-0.9,-0.4) 6(0.9,-0.4) 7(0.9,0.4)
Reset_Switch
  oval 2.8x3.6 hole 1.5: 1(-5.15,2.5) 1(5.15,2.5) 2(-5.15,-2.5) 2(5.15,-2.5)
RGB_LED
  oval 1.1x1.6 hole 0.8x1: 1(-1.905,0) 2(-0.635,0) 3(0.635,0) 4(1.905,0)
SO-8_3.9x4.9mm_P1.27mm
  rrect 1.75x0.6 smd: 1(-2.575,1.905) 2(-2.575,0.635) 3(-2.575,-0.635) 4(-2.575,-1.905) 5(2.575,-1.905) 6(2.575,-0.635) 7(2.575,0.635) 8(2.575,1.905)
